# Altium PCB uTCA_MCH_PCB3.pcbdoc (part 19 of 25) (continued)
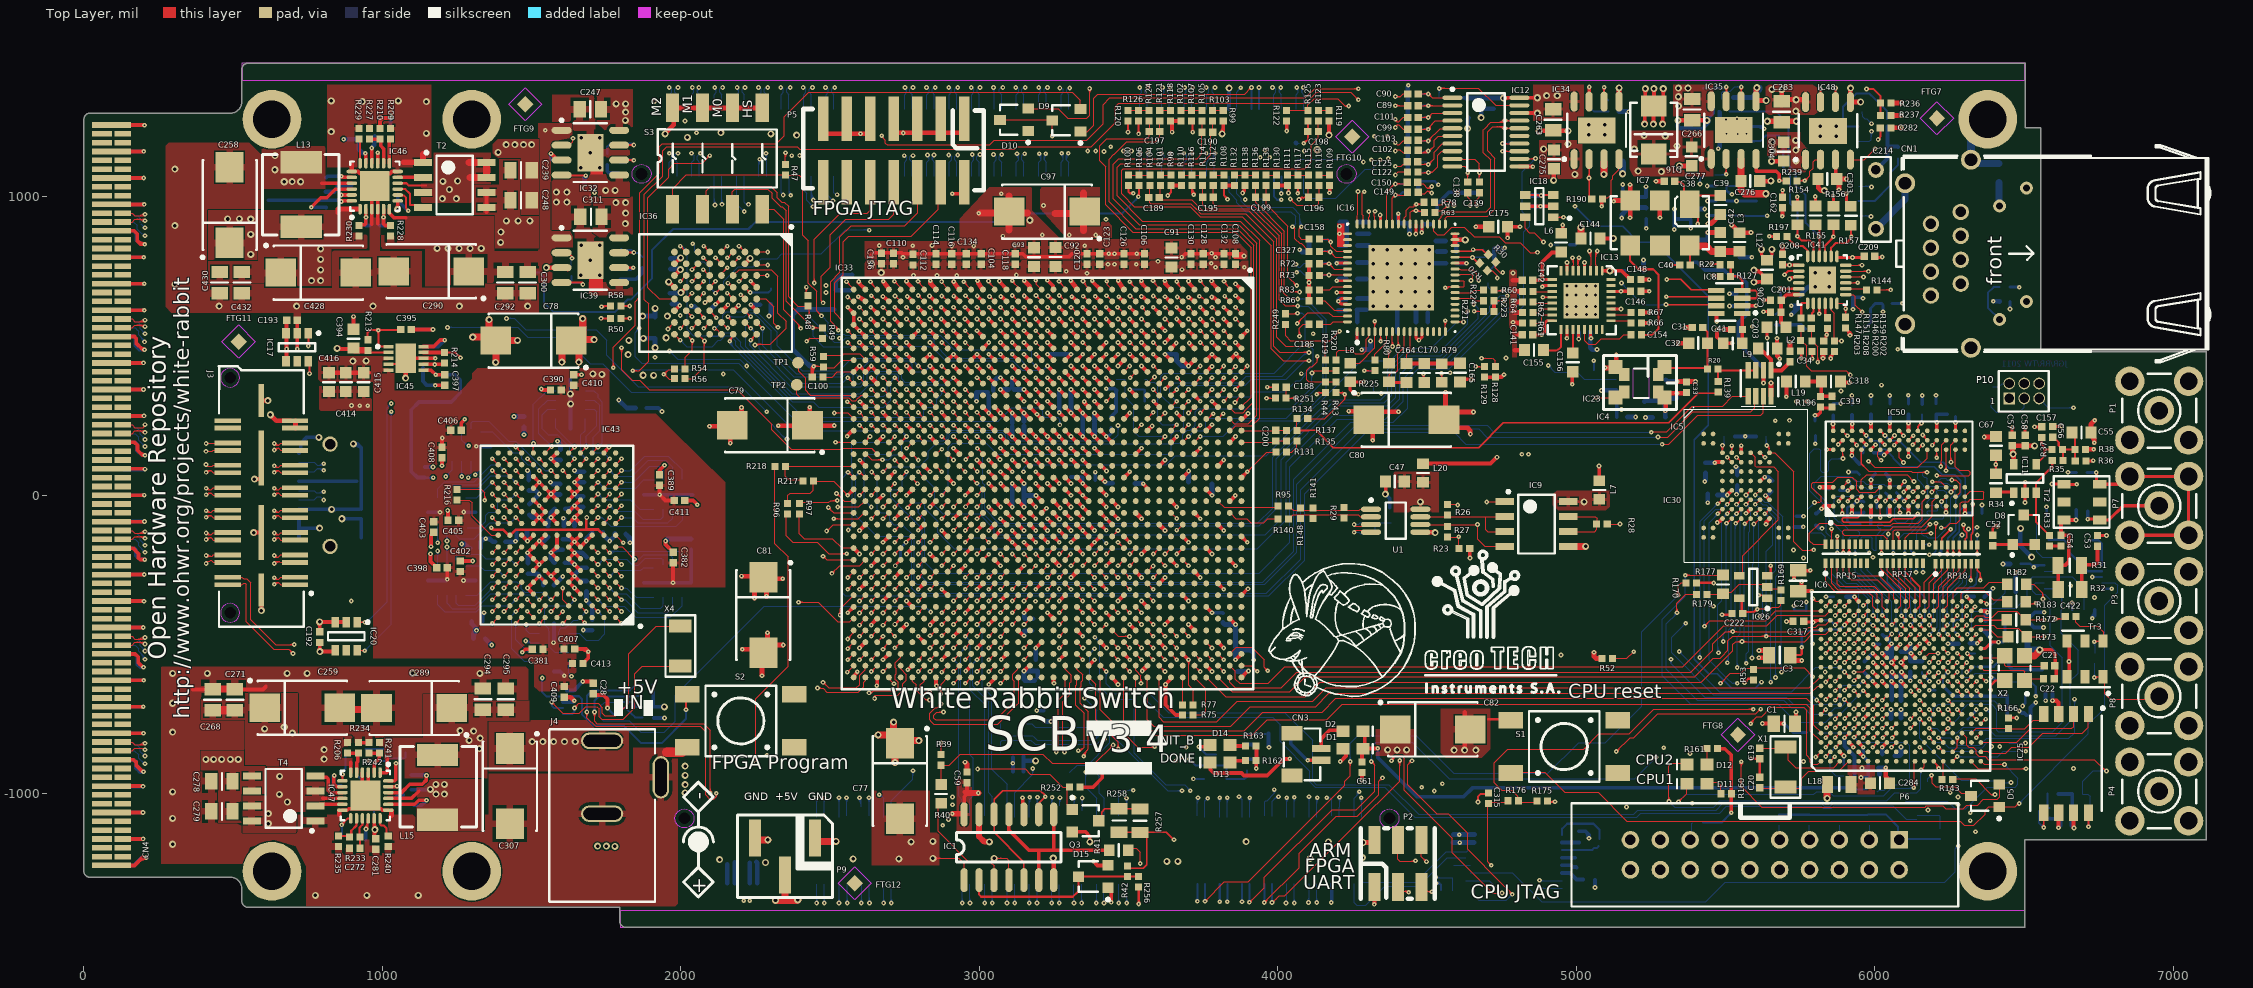
[diagram p0: Top Layer view]
## Nets (pads, with @x,y where several pads share a name; then routed paths per layer and width w, separated by ;. In a path a pad name is that pad's centre, name@x,y a point inside that pad or via, vN(x,y) a via of type N, cw(c..) or ccw(c..) an arc to the next point about the centre after c; other vN are vias at no path point) (continued)
  Bottom Layer w3.94: v1@1761.81,-316.93 cw(c1761.81,-331.19) 1771.89,-321.11 cw(c1781.97,-311.02) v1@1767.72,-311.02 ; v1(1761.81,-311.02) 1781.5,-330.71 1816.93,-330.71 1864.17,-377.95 1933.07,-377.95 1940.94,-370.08 RP10.9@1940.95,-342.52
  other v1: 2992.12,234.25
Q2_D21: IC33.AC12 IC43.F3 RP10.3 | length 2297.1
  Top Layer w3.94: IC43.F3@1702.76,-212.6 v1(1722.44,-232.28) ; v1@1716.54,-232.28 ccw(c1702.28,-232.28) 1712.36,-222.2 ccw(c1722.44,-212.12) v1@1722.44,-226.38 ; v1@2992.13,271.65 cw(c2992.13,262.15) 2998.85,268.87 ; v1@2992.13,275.59 IC33.AC12@3011.81,255.91 ; v1@2994.09,277.56 ccw(c3003.6,277.56) 2996.88,270.84 ; v1@2998.03,277.56 ccw(c3017.04,277.56) 3003.6,264.12
  MidLayer4 w3.94: v1(1722.44,-232.28) 1735.72,-232.28 ; v1@1726.83,-236.24 cw(c1735.71,-244.25) 1735.71,-232.28 ; v1@1726.83,-228.33 ccw(c1735.71,-220.32) 1735.71,-232.28 ; 1810.57,-214.57 1753.43,-214.57 1735.72,-232.28 ; 1811.02,-214.57 1830.71,-234.25 1982.28,-234.25 2019.69,-196.85 2053.15,-196.85 2064.96,-208.66 2086.01,-208.66 2092.07,-202.6 2092.07,-191.1 2098.12,-185.04 2110.24,-185.04 2122.05,-196.85 2139.76,-196.85 2169.85,-166.76 2169.85,-158.63 2169.85,-150.06 2178.42,-141.49 2186.98,-141.49 2191.05,-145.56 2195.12,-149.63 2203.69,-149.63 2212.25,-141.06 2212.25,-132.5 2208.18,-128.43 2204.12,-124.36 2204.12,-115.8 2212.68,-107.23 2221.25,-107.23 2225.32,-111.3 2229.38,-115.37 2237.95,-115.37 2246.52,-106.8 2246.52,-98.23 2242.45,-94.17 2238.38,-90.1 2238.38,-81.53 2246.95,-72.97 2255.51,-72.97 2259.58,-77.03 2263.65,-81.1 2272.21,-81.1 2280.78,-72.54 2280.78,-63.97 2276.71,-59.9 2272.64,-55.83 2272.64,-47.27 2281.21,-38.7 2289.78,-38.7 2293.84,-42.77 2297.91,-46.84 2306.48,-46.84 2315.04,-38.27 2315.04,-29.71 2306.91,-21.57 2306.91,-13 2315.47,-4.44 2324.04,-4.44 2332.18,-12.57 2340.74,-12.57 2349.31,-4.01 2349.31,4.56 2341.17,12.69 2341.17,21.26 2349.74,29.83 2358.3,29.83 2366.44,21.69 2375.01,21.69 2383.57,30.26 2383.57,46.96 2393.7,57.09 2400.06,57.09 2411.87,68.9 2423.99,68.9 2430.04,62.84 2430.04,51.33 2436.1,45.28 2448.21,45.28 2454.27,51.33 2454.27,62.84 2460.33,68.9 2472.44,68.9 2478.5,62.84 2478.5,51.33 2484.56,45.28 2496.67,45.28 2502.73,51.33 2502.73,62.84 2508.79,68.9 2520.9,68.9 2525.01,64.78 2525.01,57.66 2527.56,55.12 2842.52,55.12 2858.27,70.87 2858.27,82.74 2868.23,92.7 ; 2868.29,92.7 2878.98,103.38 2878.98,107.62 2906.38,135.02 2914.84,135.02 2931.1,151.29 2931.1,236.61 2947.64,253.15 ; 2948.01,253.13 2969.67,253.13 v1@2992.13,275.59 ; 2980.65,264.12 ccw(c2967.21,277.56) v1@2986.22,277.56 ; 2985.4,268.87 cw(c2992.13,262.15) v1@2992.13,271.65 ; 2987.37,270.84 ccw(c2980.66,277.56) v1@2990.16,277.56
  Bottom Layer w3.94: v1(1722.44,-232.28) 1740.65,-214.08 1818.24,-214.08 1838.42,-234.25 1857.25,-234.25 1880.88,-210.63 1927.17,-210.63 1935.04,-210.63 1940.94,-216.54 RP10.3@1940.94,-232.28 ; v1@1722.44,-226.38 ccw(c1722.44,-212.12) 1732.52,-222.2 ccw(c1742.6,-232.28) v1@1728.35,-232.28
  other v1: 2992.13,277.56
Q2_D22: IC33.AE14 IC43.G2 RP10.5 | length 2348.6
  Top Layer w3.94: IC43.G2@1742.13,-173.23 v1(1761.81,-192.91) ; v1@1755.91,-192.91 ccw(c1741.65,-192.91) 1751.73,-182.83 ccw(c1761.81,-172.75) v1@1761.81,-187.01 ; v1@2913.38,190.95 cw(c2913.38,176.69) 2923.47,186.77 cw(c2933.55,196.85) v1@2919.29,196.85 ; v1(2913.38,196.85) IC33.AE14@2933.07,177.17
  MidLayer4 w3.94: v1(1761.81,-192.91) 1763.78,-194.88 1782.7,-194.88 1788.76,-188.82 ; v1@1763.2,-191.52 ccw(c1771.31,-183.41) 1771.31,-194.88 ccw(c1771.32,-202.42) v1@1765.99,-197.09 ; v1@1765.99,-188.74 ccw(c1780.82,-173.91) 1780.82,-194.88 ; 1788.76,-188.5 1794.82,-182.44 1806.93,-182.44 1812.99,-188.5 1812.99,-197.93 1819.05,-203.98 1831.15,-203.98 1837.22,-197.92 1837.22,-188.5 1843.27,-182.44 1855.39,-182.44 1861.45,-188.5 1861.45,-204.57 1867.5,-210.63 1879.62,-210.63 1885.67,-204.57 1885.67,-188.5 1891.73,-182.44 1903.84,-182.44 1909.9,-188.5 1909.9,-204.57 1915.96,-210.63 1928.07,-210.63 1934.13,-204.57 1934.13,-185.19 1940.19,-179.13 1952.3,-179.13 1958.36,-185.19 1958.36,-188.82 1964.42,-194.88 1970.47,-194.88 1975.25,-190.1 1983.82,-190.1 1986.39,-192.67 1994.95,-192.67 2003.52,-184.11 2003.52,-175.54 1989.81,-161.84 1989.81,-153.27 1998.38,-144.7 2006.94,-144.7 2020.65,-158.41 2029.22,-158.41 2037.78,-149.84 2037.78,-141.28 2024.08,-127.57 2024.08,-119.01 2032.64,-110.44 2041.21,-110.44 2054.91,-124.15 2063.48,-124.15 2072.05,-115.58 2072.05,-107.01 2058.34,-93.31 2058.34,-84.74 2066.91,-76.18 ; 2067.52,-76.18 2075.47,-76.18 2089.18,-89.88 2097.74,-89.88 2106.31,-81.32 2106.31,-72.75 2092.52,-58.96 2092.52,-50.2 2100.39,-42.32 ; 2101.17,-41.91 2109.74,-41.91 2123.44,-55.62 2132.01,-55.62 2140.57,-47.05 2140.57,-38.49 2126.87,-24.78 2126.87,-16.22 2135.43,-7.65 2144,-7.65 2157.71,-21.35 2166.27,-21.35 2174.84,-12.79 2174.84,-4.22 2161.13,9.48 2161.13,18.05 2169.7,26.61 2178.26,26.61 2191.97,12.91 2200.54,12.91 2209.1,21.48 2209.1,30.04 2195.4,43.75 2195.4,52.31 2203.96,60.88 2212.53,60.88 2226.23,47.17 2234.8,47.17 2243.37,55.74 2243.37,64.31 2240.8,66.88 2240.8,75.44 2263.78,98.43 2496.21,98.43 2508.02,110.24 2520.14,110.24 2526.19,104.18 2526.19,94.02 2532.25,87.96 2544.36,87.96 2554.82,98.43 2838.87,98.43 2890.92,150.48 2890.92,174.39 v1(2913.38,196.85) ; v1@2907.48,196.85 cw(c2893.22,196.85) 2903.3,186.77 cw(c2913.38,176.69) v1@2913.38,190.95
  Bottom Layer w3.94: v1@1760.42,-191.52 cw(c1771.32,-202.42) 1771.32,-187.01 ; v1(1761.81,-192.91) 1767.72,-187.01 1992.13,-187.01 2003.94,-198.82 RP10.5@2003.94,-244.1 ; v1@1763.2,-194.31 cw(c1780.82,-211.93) 1780.82,-187.01 ; v1@1765.99,-197.09 cw(c1790.33,-221.43) 1790.33,-187.01
Q2_D23: IC33.AF14 IC43.J3 RP7.7 | length 2336.7
  Top Layer w3.94: IC43.J3@1702.76,-94.49 v1(1722.44,-74.8) ; v1@1716.54,-74.8 cw(c1702.28,-74.8) 1712.36,-84.88 cw(c1722.44,-94.97) v1@1722.44,-80.71 ; v1@2874.01,190.95 cw(c2874.01,176.69) 2884.1,186.77 cw(c2894.18,196.85) v1@2879.92,196.85 ; v1(2874.01,196.85) IC33.AF14@2893.7,177.17
  MidLayer4 w3.94: v1(1722.44,-74.8) 1742.13,-55.12 1911.42,-55.12 2050.3,83.76 2058.86,83.76 2061.43,81.19 2070,81.19 2078.57,89.76 2078.57,98.32 2064.86,112.03 2064.86,120.6 2073.43,129.16 2081.99,129.16 2095.7,115.46 2104.26,115.46 2112.83,124.02 2112.83,132.59 2099.12,146.29 2099.12,154.86 2107.69,163.43 2116.26,163.43 2129.96,149.72 2138.53,149.72 2147.09,158.29 2147.09,166.85 2133.39,180.56 2133.39,189.12 2141.95,197.69 2150.52,197.69 2160.06,188.15 2176.96,188.15 2181.36,192.55 2181.36,201.12 2178.79,203.69 2178.79,212.25 2183.07,216.54 2192.6,216.54 2198.66,222.59 2198.66,226.23 2204.72,232.28 2216.83,232.28 2222.89,226.23 2222.89,206.84 2228.94,200.79 2241.06,200.79 2247.11,206.84 2247.11,226.23 2253.17,232.28 2265.29,232.28 2271.34,226.23 2271.34,206.84 2277.4,200.79 2289.51,200.79 2295.57,206.84 2295.57,226.23 2299.07,229.72 2309.61,229.72 2319.8,219.53 2319.8,206.84 2325.86,200.79 2337.97,200.79 2344.03,206.84 2344.03,226.23 2350.09,232.28 2362.2,232.28 2368.26,226.23 2368.26,206.84 2374.31,200.79 2386.43,200.79 2392.48,206.84 2392.48,226.23 2398.54,232.28 2410.66,232.28 2416.71,226.23 2416.71,206.84 2422.77,200.79 2434.88,200.79 2440.94,206.84 2440.94,226.23 2447,232.28 2459.11,232.28 2465.17,226.23 2465.17,206.84 2471.23,200.79 2483.34,200.79 2489.4,206.84 2489.4,210.48 2495.45,216.54 2507.57,216.54 2513.63,210.48 2513.63,206.84 2519.68,200.79 2531.8,200.79 2537.85,206.84 2537.85,226.23 2543.91,232.28 2556.03,232.28 2562.08,226.23 2562.08,213.8 ; v1@1722.44,-68.9 ccw(c1722.44,-54.64) 1732.52,-64.72 ccw(c1742.6,-74.8) v1@1728.35,-74.8 ; 2562.12,213.76 2568.14,207.74 2580.25,207.74 2589.05,216.54 2642.02,216.54 2657.48,231.99 2657.48,244.09 2669.29,255.91 2838.87,255.91 2854.33,240.45 2854.33,216.54 v1(2874.01,196.85) ; v1@2868.11,196.85 ccw(c2853.85,196.85) 2863.93,206.93 ccw(c2874.01,217.01) v1@2874.01,202.76
  Bottom Layer w3.94: v1(1722.44,-74.8) 1736.22,-74.8 ; v1@1726.72,-78.88 cw(c1736.22,-87.92) 1736.22,-74.8 ; v1@1726.72,-70.73 ccw(c1736.22,-61.68) 1736.22,-74.8 ; RP7.7@2005.91,-45.28 2005.91,-47.24 2005.91,-82.68 1984.25,-104.33 1765.75,-104.33 1736.22,-74.8
Q2_D24: IC33.AD12 IC43.L3 RP7.10 | length 2227
  Top Layer w3.94: IC43.L3@1702.76,-15.75 v1(1722.44,3.94) ; v1@1716.54,3.94 cw(c1702.28,3.94) 1712.36,-6.14 cw(c1722.44,-16.23) v1@1722.44,-1.97 ; v1@2952.76,271.65 cw(c2952.76,262.15) 2959.48,268.87 ; v1@2952.76,275.59 IC33.AD12@2972.44,255.91 ; v1@2954.72,277.56 ccw(c2964.23,277.56) 2957.51,270.84 ; v1@2958.66,277.56 ccw(c2977.67,277.56) 2964.23,264.12
  MidLayer4 w3.94: v1(1722.44,3.94) 1742.13,23.62 1742.13,47.54 1757.58,62.99 1767.72,62.99 1781.5,76.77 1781.5,126.28 1794.18,138.96 1820.06,138.96 1835.21,154.1 1835.21,162.24 1835.21,170.81 1843.77,179.37 1852.34,179.37 1856.41,175.3 1860.48,171.24 1869.04,171.24 1877.61,179.8 1877.61,188.37 1873.54,192.44 1869.47,196.5 1869.47,205.07 1878.04,213.64 1886.6,213.64 1890.67,209.57 1894.74,205.5 1903.31,205.5 1911.87,214.07 1911.87,222.63 1907.8,226.7 1903.73,230.77 1903.73,239.33 1912.3,247.9 1920.87,247.9 1924.93,243.83 1929,239.76 1937.57,239.76 1946.14,248.33 1946.14,256.9 1946.14,265.03 2055.12,374.02 2154,374.02 2165.81,385.83 2177.92,385.83 2183.98,379.77 2183.98,368.26 2190.04,362.2 2202.15,362.2 2208.21,368.26 2208.21,379.77 2214.27,385.83 2226.38,385.83 2232.44,379.77 2232.44,368.26 2238.49,362.2 2250.61,362.2 2256.67,368.26 2256.67,379.77 2262.72,385.83 2274.84,385.83 2280.89,379.77 2280.89,368.26 2286.95,362.2 2299.06,362.2 2305.12,368.26 2305.12,379.77 2311.18,385.83 2323.29,385.83 2329.35,379.77 2329.35,368.26 2335.41,362.2 2347.52,362.2 2353.58,368.26 2353.58,379.77 2359.64,385.83 2371.75,385.83 2377.81,379.77 2377.81,368.26 2383.86,362.2 2395.98,362.2 2402.03,368.26 2402.03,379.77 2408.09,385.83 2420.21,385.83 2426.26,379.77 2426.26,368.26 2432.32,362.2 2444.43,362.2 2450.49,368.26 2450.49,379.77 2456.55,385.83 2468.66,385.83 2474.72,379.77 2474.72,368.26 2480.78,362.2 2492.89,362.2 2498.95,368.26 2498.95,379.77 2505.01,385.83 2517.12,385.83 2528.93,374.02 2795.04,374.02 2816.93,352.13 2816.93,346.46 2828.74,334.65 2840.55,334.65 2854.33,320.87 2854.33,309.06 2868.11,295.28 2878.24,295.28 2893.7,279.82 2893.7,267.72 2907.48,253.94 2931.1,253.94 v1@2952.76,275.59 ; v1@1722.44,9.84 ccw(c1722.44,24.1) 1732.52,14.02 ccw(c1742.6,3.94) v1@1728.35,3.94 ; 2941.28,264.12 ccw(c2927.84,277.56) v1@2946.85,277.56 ; 2946.03,268.87 cw(c2952.76,262.15) v1@2952.76,271.65 ; 2948,270.84 ccw(c2941.29,277.56) v1@2950.79,277.56
  Bottom Layer w3.94: v1@1722.44,-1.97 cw(c1722.44,-16.23) 1732.52,-6.14 cw(c1742.6,3.94) v1@1728.35,3.94 ; v1(1722.44,3.94) 1742.13,-15.75 1830.71,-15.75 1862.2,-47.24 RP7.10@1909.45,-47.24
  other v1: 2952.76,277.56
Q2_D25: IC33.AE12 IC43.M3 RP7.2 | length 2224.7
  Top Layer w3.94: IC43.M3@1702.76,23.62 v1(1722.44,43.31) ; v1@1716.54,43.31 cw(c1702.28,43.31) 1712.36,33.23 cw(c1722.44,23.14) v1@1722.44,37.4 ; v1@2912.01,273.07 cw(c2912.01,263.66) 2918.66,270.31 ; v1@2913.39,275.59 IC33.AE12@2933.07,255.91 ; v1@2913.98,278.98 ccw(c2923.58,278.98) 2916.79,272.19 ; v1@2917.91,278.98 ccw(c2937.02,278.98) 2923.51,265.47
  MidLayer4 w3.94: v1@1718.27,47.48 ccw(c1708.18,57.56) 1722.44,57.56 ccw(c1736.7,57.56) v1@1726.62,47.48 ; v1(1722.44,43.31) 1722.44,59.06 1729.15,65.77 ; 1729.45,65.77 1742.13,78.45 1742.13,126.28 1760.36,144.51 1768.82,144.51 1778.72,154.42 1778.72,166.52 1801.74,189.54 1801.74,197.67 1801.74,206.24 1810.31,214.81 1818.87,214.81 1822.94,210.74 1827.01,206.67 1835.58,206.67 1844.14,215.23 1844.14,223.8 1840.07,227.87 1836.01,231.94 1836.01,240.5 1844.57,249.07 1853.14,249.07 1857.21,245 1861.27,240.93 1869.84,240.93 1878.41,249.5 1878.41,258.06 1874.34,262.13 1870.27,266.2 1870.27,274.77 1878.84,283.33 1887.4,283.33 1891.47,279.27 1895.54,275.2 1904.1,275.2 1912.67,283.76 1912.67,292.33 1908.6,296.4 1904.53,300.47 1904.53,309.03 1913.1,317.6 1921.67,317.6 1925.73,313.53 1929.8,309.46 1938.37,309.46 1946.93,318.03 1946.93,326.59 1938.8,334.73 1938.8,343.3 1947.36,351.86 1955.93,351.86 1964.07,343.72 1972.63,343.72 1981.2,352.29 1981.2,360.86 1973.06,368.99 1973.06,377.56 1981.63,386.13 1990.19,386.13 1998.33,377.99 2006.9,377.99 2015.46,386.55 2015.46,403.26 2025.59,413.39 2031.95,413.39 2043.76,425.2 2055.88,425.2 2061.93,419.14 2061.93,407.63 2067.99,401.57 2080.1,401.57 2086.16,407.63 2086.16,419.14 2092.22,425.2 2104.33,425.2 2109.25,420.28 2109.25,407.48 2115.16,401.57 2122.05,401.57 2127.78,407.3 2127.78,419.11 2133.86,425.2 2143.7,425.2 ; 2140.67,425.2 2152.79,425.2 2158.85,419.14 2158.85,407.63 2164.9,401.57 2177.02,401.57 2183.07,407.63 2183.07,419.14 2189.13,425.2 2201.25,425.2 2207.3,419.14 2207.3,407.63 2213.36,401.57 2225.47,401.57 2231.53,407.63 2231.53,419.14 2237.59,425.2 2249.7,425.2 2255.76,419.14 2255.76,407.63 2261.82,401.57 2273.93,401.57 2279.99,407.63 2279.99,419.14 2286.04,425.2 2298.16,425.2 2304.22,419.14 2304.22,407.63 2310.27,401.57 2322.83,401.57 2334.65,413.39 2701.48,413.39 2706.09,408.78 2729.49,408.78 2740.97,397.29 2793.47,397.29 2823.64,367.13 2839.95,367.13 2911.22,295.85 2911.22,278.98 v1@2911.22,276.73 ; v1@2907.83,283.15 ccw(c2899.65,291.33) 2911.22,291.33 ; 2911.22,295.13 ccw(c2928.17,295.13) v1@2916.18,283.15
  Bottom Layer w3.94: v1@1722.44,37.4 cw(c1722.44,23.14) 1732.52,33.23 cw(c1742.6,43.31) v1@1728.35,43.31 ; v1(1722.44,43.31) 1742.13,23.62 1848.43,23.62 1875.98,51.18 RP7.2@1909.45,51.18 RP7.2@1911.42,51.18
  other v1: 2912.01,278.98
Q2_D26: IC33.AJ10 IC43.N2 RP7.4 | length 2296.2
  Top Layer w3.94: IC43.N2@1742.13,62.99 v1(1761.81,82.68) ; v1@1755.91,82.68 cw(c1741.65,82.68) 1751.73,72.6 cw(c1761.81,62.51) v1@1761.81,76.77 ; v1@2755.91,348.43 cw(c2755.91,334.17) 2765.99,344.25 cw(c2776.07,354.33) v1@2761.81,354.33 ; v1(2755.91,354.33) IC33.AJ10@2775.59,334.65
  MidLayer1 w3.94: v1(1761.81,82.68) 1773.62,82.68 ; v1@1766.54,79.13 cw(c1773.62,73.82) 1773.62,82.68 ; v1@1766.54,86.22 ccw(c1773.62,91.53) 1773.62,82.68 ; 1848.54,166.44 1848.54,177.28 1853.01,181.75 1863.85,181.75 ; 1849.51,165.47 1849.51,160.87 1838.79,150.16 1824.37,150.16 1818.09,143.88 1818.09,115.04 1805.41,102.36 1793.31,102.36 1773.62,82.68 ; 1864.82,180.78 1869.42,180.78 1880.13,191.5 1880.13,202.97 1885.4,208.24 1902.44,208.24 1909.62,215.41 1909.62,222.58 1907.64,224.56 1905.65,226.55 1905.65,233.72 1912.83,240.89 1920,240.89 1921.98,238.91 1923.96,236.93 1931.14,236.93 1938.31,244.11 1938.31,251.28 1936.33,253.26 1934.35,255.24 1934.35,259.15 1941.75,266.56 ; 1943.54,267.72 1950.57,267.72 ; 1950.68,267.61 1952.66,265.63 1959.83,265.63 1967.01,272.8 1967.01,279.98 1965.03,281.96 1963.05,283.94 1963.05,291.11 1970.22,298.29 1977.4,298.29 1979.38,296.3 1981.36,294.32 1988.53,294.32 1995.7,301.5 1995.7,308.67 1993.72,310.65 1991.74,312.63 1991.74,319.81 1998.92,326.98 2006.09,326.98 2008.07,325 2010.05,323.02 2017.23,323.02 2024.4,330.19 2024.4,337.37 2022.42,339.35 2020.44,341.33 2020.44,348.5 2027.61,355.68 2034.79,355.68 2036.77,353.7 2038.75,351.72 2045.92,351.72 2053.1,358.89 2053.1,366.06 2051.12,368.05 2049.14,370.03 2049.14,377.2 2056.31,384.37 2063.48,384.37 2065.46,382.39 2067.45,380.41 2074.62,380.41 2081.79,387.59 2081.79,394.76 2079.81,396.74 2077.83,398.72 2077.83,405.9 2085.01,413.07 2092.18,413.07 2094.16,411.09 2096.14,409.11 2103.32,409.11 2110.49,416.28 2110.49,423.46 2108.51,425.44 2106.53,427.42 2106.53,434.59 2113.7,441.77 2120.88,441.77 2124.84,437.81 2132.01,437.81 2139.19,444.98 2139.19,452.15 2137.21,454.13 2135.22,456.11 2135.22,463.29 2140.44,468.5 2151.53,468.5 2153.53,466.5 2160.71,466.5 2167.88,473.68 2167.88,480.85 2165.9,482.83 2163.92,484.81 2163.92,491.99 2171.09,499.16 2178.27,499.16 2180.25,497.18 2182.23,495.2 2189.4,495.2 2196.58,502.37 2196.58,519.41 2214.57,537.4 2244.09,537.4 2251.97,545.28 2265.75,545.28 2270.59,540.43 2270.59,523.32 2275.67,518.25 2285.81,518.25 2290.89,523.32 2290.89,543.33 2295.96,548.41 2306.1,548.41 2311.18,543.33 2311.18,523.32 2316.25,518.25 2326.4,518.25 2331.47,523.32 2331.47,543.33 2336.54,548.41 2346.69,548.41 2351.76,543.33 2351.76,523.32 2356.83,518.25 2366.98,518.25 2372.05,523.32 2372.05,543.33 2377.12,548.41 2387.27,548.41 2392.34,543.33 2392.34,523.32 2397.41,518.25 2404.07,518.25 2412.63,526.81 2412.63,543.33 2417.71,548.41 2427.85,548.41 2434.23,542.03 2434.23,520.49 2436.48,518.25 2448.14,518.25 2453.22,523.32 2453.22,543.33 2458.29,548.41 2468.43,548.41 2473.51,543.33 2473.51,523.32 2478.58,518.25 2488.73,518.25 2493.8,523.32 2493.8,543.33 2498.87,548.41 2509.02,548.41 2514.09,543.33 2514.09,514.11 2519.16,509.04 2529.31,509.04 2544.25,494.09 2639.37,494.09 ; 2639.76,494.09 2659.45,474.41 ; 2660.25,473.9 2660.25,465.44 2675.71,449.98 2690.57,449.98 2699.21,441.34 2699.21,429.92 2711.81,417.32 2716.93,417.32 2725.2,409.05 ; 2725.2,408.95 2741.64,408.95 2755.91,394.69 v1(2755.91,354.33) ; v1@2751.73,358.51 ccw(c2741.65,368.59) 2755.91,368.59 ccw(c2770.16,368.59) v1@2760.08,358.51
  Bottom Layer w3.94: v1@1761.81,76.77 cw(c1761.81,62.51) 1771.89,72.6 cw(c1781.97,82.68) v1@1767.72,82.68 ; v1(1761.81,82.68) 1781.5,62.99 1836.61,62.99 1890.75,117.13 1949.8,117.13 1972.44,94.49 RP7.4@1972.44,51.18 RP7.4@1972.44,45.28
Q2_D27: IC33.AH13 IC43.C1 RP10.8 | length 2239.3
  Top Layer w3.94: IC43.C1@1781.5,-330.71 v1(1801.18,-350.39) ; v1@1795.28,-350.39 ccw(c1781.02,-350.39) 1791.1,-340.31 ccw(c1801.18,-330.23) v1@1801.18,-344.49 ; v1@2795.27,228.35 cw(c2795.27,209.32) IC33.AH13@2808.72,222.77 ; v1@2795.27,232.28 cw(c2795.27,222.76) 2802,229.49 ; v1@2795.28,236.22 2796.26,235.24 IC33.AH13@2814.96,216.54 ; v1@2801.18,234.25 ccw(c2810.67,234.25) 2803.96,227.54
  MidLayer1 w3.94: v1(1801.18,-350.39) 2125.98,-350.39 2149.26,-327.12 2149.26,-319.95 2142.51,-313.2 2142.51,-306.03 2149.68,-298.85 2156.86,-298.85 2167.19,-309.19 2177.52,-319.52 2184.7,-319.52 2191.87,-312.34 2191.87,-305.17 2181.54,-294.84 2171.21,-284.51 2171.21,-277.33 2178.38,-270.16 2183.31,-270.16 2203.97,-290.82 2213.39,-290.82 2220.57,-283.65 2220.57,-268.56 2203.23,-251.22 2203.23,-245.31 2207.08,-241.46 2214.25,-241.46 2234.92,-262.13 2242.09,-262.13 2249.26,-254.95 2249.26,-247.78 2228.6,-227.11 2228.6,-219.94 2235.77,-212.77 2242.95,-212.77 2263.61,-233.43 2270.79,-233.43 2277.96,-226.26 2277.96,-219.08 2267.63,-208.75 2257.3,-198.42 2257.3,-191.24 2264.47,-184.07 2271.64,-184.07 2292.31,-204.73 2299.48,-204.73 2306.66,-197.56 2306.66,-190.39 2285.99,-169.72 2285.99,-162.55 2293.17,-155.37 2300.34,-155.37 2321,-176.04 2328.18,-176.04 2335.35,-168.86 2335.35,-161.69 2314.69,-141.02 2314.69,-133.85 2321.86,-126.68 2329.04,-126.68 2349.7,-147.34 2356.88,-147.34 2364.05,-140.17 2364.05,-132.99 2353.72,-122.66 2343.38,-112.33 2343.38,-105.15 2350.56,-97.98 2357.73,-97.98 2368.07,-108.31 2378.4,-118.65 2385.57,-118.65 2392.75,-111.47 2392.75,-104.3 2372.08,-83.63 2372.08,-76.46 2379.25,-69.28 2386.43,-69.28 2393.17,-76.03 2400.35,-76.03 2433.07,-43.31 2433.07,-19.68 2514.59,61.83 2644.8,61.83 2660.25,77.29 2660.25,85.75 2670.16,95.65 2678.62,95.65 2694.07,111.11 2694.07,119.57 2712.3,137.8 2722.44,137.8 2734.25,149.61 2734.25,161.42 2750,177.17 2757.87,177.17 2771.65,190.94 2771.65,212.2 2794.49,235.04 v1@2795.67,236.22 ; v1@1805.36,-354.57 cw(c1815.44,-364.65) 1815.44,-350.39 cw(c1815.44,-336.14) v1@1805.36,-346.22 ; 2782.51,223.06 cw(c2795.27,210.3) v1@2795.27,228.35 ; 2786.3,226.85 ccw(c2778.9,234.25) v1@2789.36,234.25
  Bottom Layer w3.94: v1(1801.18,-350.39) 1812.99,-350.39 ; v1@1805.91,-353.94 cw(c1812.99,-359.25) 1812.99,-350.39 ; v1@1805.91,-346.85 ccw(c1812.99,-341.54) 1812.99,-350.39 ; RP10.8@1972.44,-342.52 1972.44,-375.98 1954.72,-393.7 1856.3,-393.7 1812.99,-350.39
  other v1: 2795.27,234.25
Q2_D28: IC33.AJ12 IC43.D1 RP10.10 | length 2134.5
  Top Layer w3.94: IC43.D1@1781.5,-291.34 v1(1801.18,-311.02) ; v1@1795.28,-311.02 ccw(c1781.02,-311.02) 1791.1,-300.94 ccw(c1801.18,-290.86) v1@1801.18,-305.12 ; v1@2755.91,271.65 cw(c2755.91,262.15) 2762.63,268.87 ; v1@2755.91,275.59 IC33.AJ12@2775.59,255.91 ; v1@2757.87,277.56 ccw(c2767.38,277.56) 2760.66,270.84 ; v1@2761.81,277.56 ccw(c2780.82,277.56) 2767.38,264.12
  MidLayer1 w3.94: v1(1801.18,-311.02) 1833.81,-311.02 1838.89,-305.95 1838.89,-288.54 1843.96,-283.47 1854.1,-283.47 1859.18,-288.54 1859.18,-305.95 1864.25,-311.02 1874.4,-311.02 1879.47,-305.95 1879.47,-288.54 1884.54,-283.47 1894.69,-283.47 1899.76,-288.54 1899.76,-305.95 1904.83,-311.02 1914.98,-311.02 1920.05,-305.95 1920.05,-288.54 1925.12,-283.47 1935.27,-283.47 1940.34,-288.54 1940.34,-305.95 1945.42,-311.02 1996.14,-311.02 2001.22,-305.95 2001.22,-288.54 2006.29,-283.47 2016.43,-283.47 2021.51,-288.54 2021.51,-305.95 2026.58,-311.02 2036.73,-311.02 2041.8,-305.95 2041.8,-288.54 2046.87,-283.47 2057.02,-283.47 2062.09,-288.54 2062.09,-305.95 2067.16,-311.02 2086.61,-311.02 2090.2,-307.44 2090.2,-300.26 2081.21,-291.28 2081.21,-284.1 2088.39,-276.93 2095.56,-276.93 2108.14,-289.5 2109.97,-291.34 2116.14,-291.34 2126.16,-281.32 2133.86,-273.62 2133.86,-263.78 2139.76,-257.87 2139.76,-241.17 2145.41,-235.52 2152.58,-235.52 2157.35,-240.29 2162.11,-245.05 2169.29,-245.05 2176.46,-237.88 2176.46,-230.71 2171.7,-225.94 2166.93,-221.18 2166.93,-214 2174.11,-206.83 2181.28,-206.83 2186.05,-211.59 2190.81,-216.36 2197.98,-216.36 2205.16,-209.18 2205.16,-202.01 2195.63,-192.48 2195.63,-185.31 2202.8,-178.13 2209.98,-178.13 2219.51,-187.66 2226.68,-187.66 2233.85,-180.49 2233.85,-173.31 2224.32,-163.78 2224.32,-156.61 2231.5,-149.44 2238.67,-149.44 2243.44,-154.2 2248.2,-158.96 2255.38,-158.96 2262.55,-151.79 2262.55,-144.62 2257.79,-139.85 2253.02,-135.09 2253.02,-127.91 2260.2,-120.74 2267.37,-120.74 2272.13,-125.5 2276.9,-130.27 2284.07,-130.27 2291.25,-123.09 2291.25,-115.92 2281.72,-106.39 2281.72,-99.22 2288.89,-92.04 2296.07,-92.04 2305.59,-101.57 2312.77,-101.57 2319.94,-94.4 2319.94,-87.22 2310.41,-77.7 2310.41,-70.52 2317.59,-63.35 2324.76,-63.35 2329.53,-68.11 2334.29,-72.88 2341.47,-72.88 2348.64,-65.7 2348.64,-58.53 2343.87,-53.76 2339.11,-49 2339.11,-41.82 2346.28,-34.65 2353.46,-34.65 2358.22,-39.42 2362.99,-44.18 2370.16,-44.18 2377.34,-37.01 2377.34,-29.83 2372.57,-25.07 2367.81,-20.3 2367.81,-13.13 2374.98,-5.95 2382.15,-5.95 2391.68,-15.48 2398.86,-15.48 2406.03,-8.31 2406.03,-1.14 ; v1@1805.36,-315.2 cw(c1815.44,-325.28) 1815.44,-311.02 cw(c1815.44,-296.77) v1@1805.36,-306.85 ; 2404.85,0.04 2404.85,7.22 2434,36.36 2434,40.96 2430.24,44.71 2430.24,49.31 2440.96,60.03 2445.55,60.03 2451.61,53.97 2457.66,47.92 2462.26,47.92 2472.97,58.63 2472.97,63.23 2469.22,66.99 2469.22,71.58 2533.46,135.83 2640.05,135.83 2657.48,153.25 2657.48,161.71 2672.93,177.17 2681.39,177.17 2696.85,192.62 2696.85,206.69 2706.69,216.54 2720.76,216.54 2736.22,231.99 2736.22,255.91 v1@2755.9,275.59 ; 2744.43,264.12 ccw(c2731,277.56) v1@2750,277.56 ; 2749.18,268.87 cw(c2755.91,262.14) v1@2755.91,271.65 ; 2751.16,270.84 ccw(c2744.44,277.56) v1@2753.94,277.56
  Bottom Layer w3.94: v1(1801.18,-311.02) 1818.9,-311.02 1850.39,-342.52 RP10.10@1909.45,-342.52 ; v1@1805.36,-315.2 cw(c1815.44,-325.28) 1815.44,-311.02 cw(c1815.44,-296.77) v1@1805.36,-306.85
  other v1: 2755.91,277.56
Q2_D29: IC33.AD14 IC43.E2 RP10.2 | length 2168.5
  Top Layer w3.94: IC43.E2@1742.13,-251.97 v1(1761.81,-271.65) ; v1@1755.91,-271.65 ccw(c1741.65,-271.65) 1751.73,-261.57 ccw(c1761.81,-251.49) v1@1761.81,-265.75 ; v1@2952.76,190.95 cw(c2952.76,176.69) 2962.84,186.77 cw(c2972.92,196.85) v1@2958.66,196.85 ; v1(2952.76,196.85) IC33.AD14@2972.44,177.17
  MidLayer4 w3.94: v1(1761.81,-271.65) 1779.53,-253.94 2017.72,-253.94 2029.53,-242.13 2248.03,-242.13 2290,-200.15 2290,-192.98 2286.04,-189.02 2286.04,-181.84 2293.22,-174.67 2300.39,-174.67 2315.49,-189.77 2322.66,-189.77 2329.84,-182.59 2329.84,-175.42 2322.29,-167.87 2314.74,-160.32 2314.74,-153.15 2321.91,-145.97 2329.09,-145.97 2344.18,-161.07 2351.36,-161.07 2358.53,-153.9 2358.53,-146.72 2343.44,-131.63 2343.44,-124.45 2350.61,-117.28 2357.78,-117.28 2372.88,-132.37 2380.05,-132.37 2387.23,-125.2 2387.23,-118.03 2372.13,-102.93 2372.13,-95.76 2379.31,-88.58 2386.48,-88.58 2401.58,-103.68 2408.75,-103.68 2415.92,-96.5 2415.92,-89.33 2408.38,-81.78 2400.83,-74.23 2400.83,-67.06 2408,-59.88 2415.18,-59.88 2430.27,-74.98 2437.45,-74.98 2444.62,-67.81 2444.62,-60.63 2429.52,-45.54 2429.52,-38.36 2436.7,-31.19 2443.87,-31.19 2458.97,-46.29 2466.14,-46.29 2473.32,-39.11 2473.32,-31.94 2458.22,-16.84 2458.22,-9.67 2465.39,-2.49 2472.57,-2.49 2476.53,-6.45 2483.7,-6.45 2490.88,0.72 2490.88,7.89 2486.92,11.86 2486.92,19.03 2494.09,26.2 2501.26,26.2 2505.23,22.24 2512.4,22.24 2529.53,39.37 2554.89,39.37 2559.96,34.3 2559.96,28.69 2565.04,23.62 2575.18,23.62 2580.26,28.69 2580.26,34.3 2585.33,39.37 2595.47,39.37 2600.55,34.3 2600.55,28.69 2605.62,23.62 2615.77,23.62 2620.84,28.69 2620.84,34.3 2625.91,39.37 2636.06,39.37 2641.13,34.3 2641.13,28.69 2646.2,23.62 2656.35,23.62 2661.42,28.69 2661.42,34.3 2666.49,39.37 2676.64,39.37 2681.71,34.3 2681.71,28.69 2686.79,23.62 2696.93,23.62 ; v1@1761.81,-265.75 ccw(c1761.81,-251.49) 1771.89,-261.57 ccw(c1781.97,-271.65) v1@1767.72,-271.65 ; 2697.11,23.44 2802.97,23.44 2817.28,37.76 2856.94,37.76 2930.02,110.83 2930.02,129.76 2939.33,139.07 2939.33,154.98 2939.33,183.42 v1(2952.76,196.85) ; v1@2946.85,196.85 cw(c2932.59,196.85) 2942.67,186.77 cw(c2952.76,176.69) v1@2952.76,190.95
  Bottom Layer w3.94: v1(1761.81,-271.65) 1781.5,-251.97 1866.14,-251.97 1875.98,-242.13 RP10.2@1907.48,-242.13 ; v1@1761.81,-265.75 ccw(c1761.81,-251.49) 1771.89,-261.57 ccw(c1781.97,-271.65) v1@1767.72,-271.65